# Altium PCB work_pcb_1.PcbDoc (part 1 of 3) (continued)
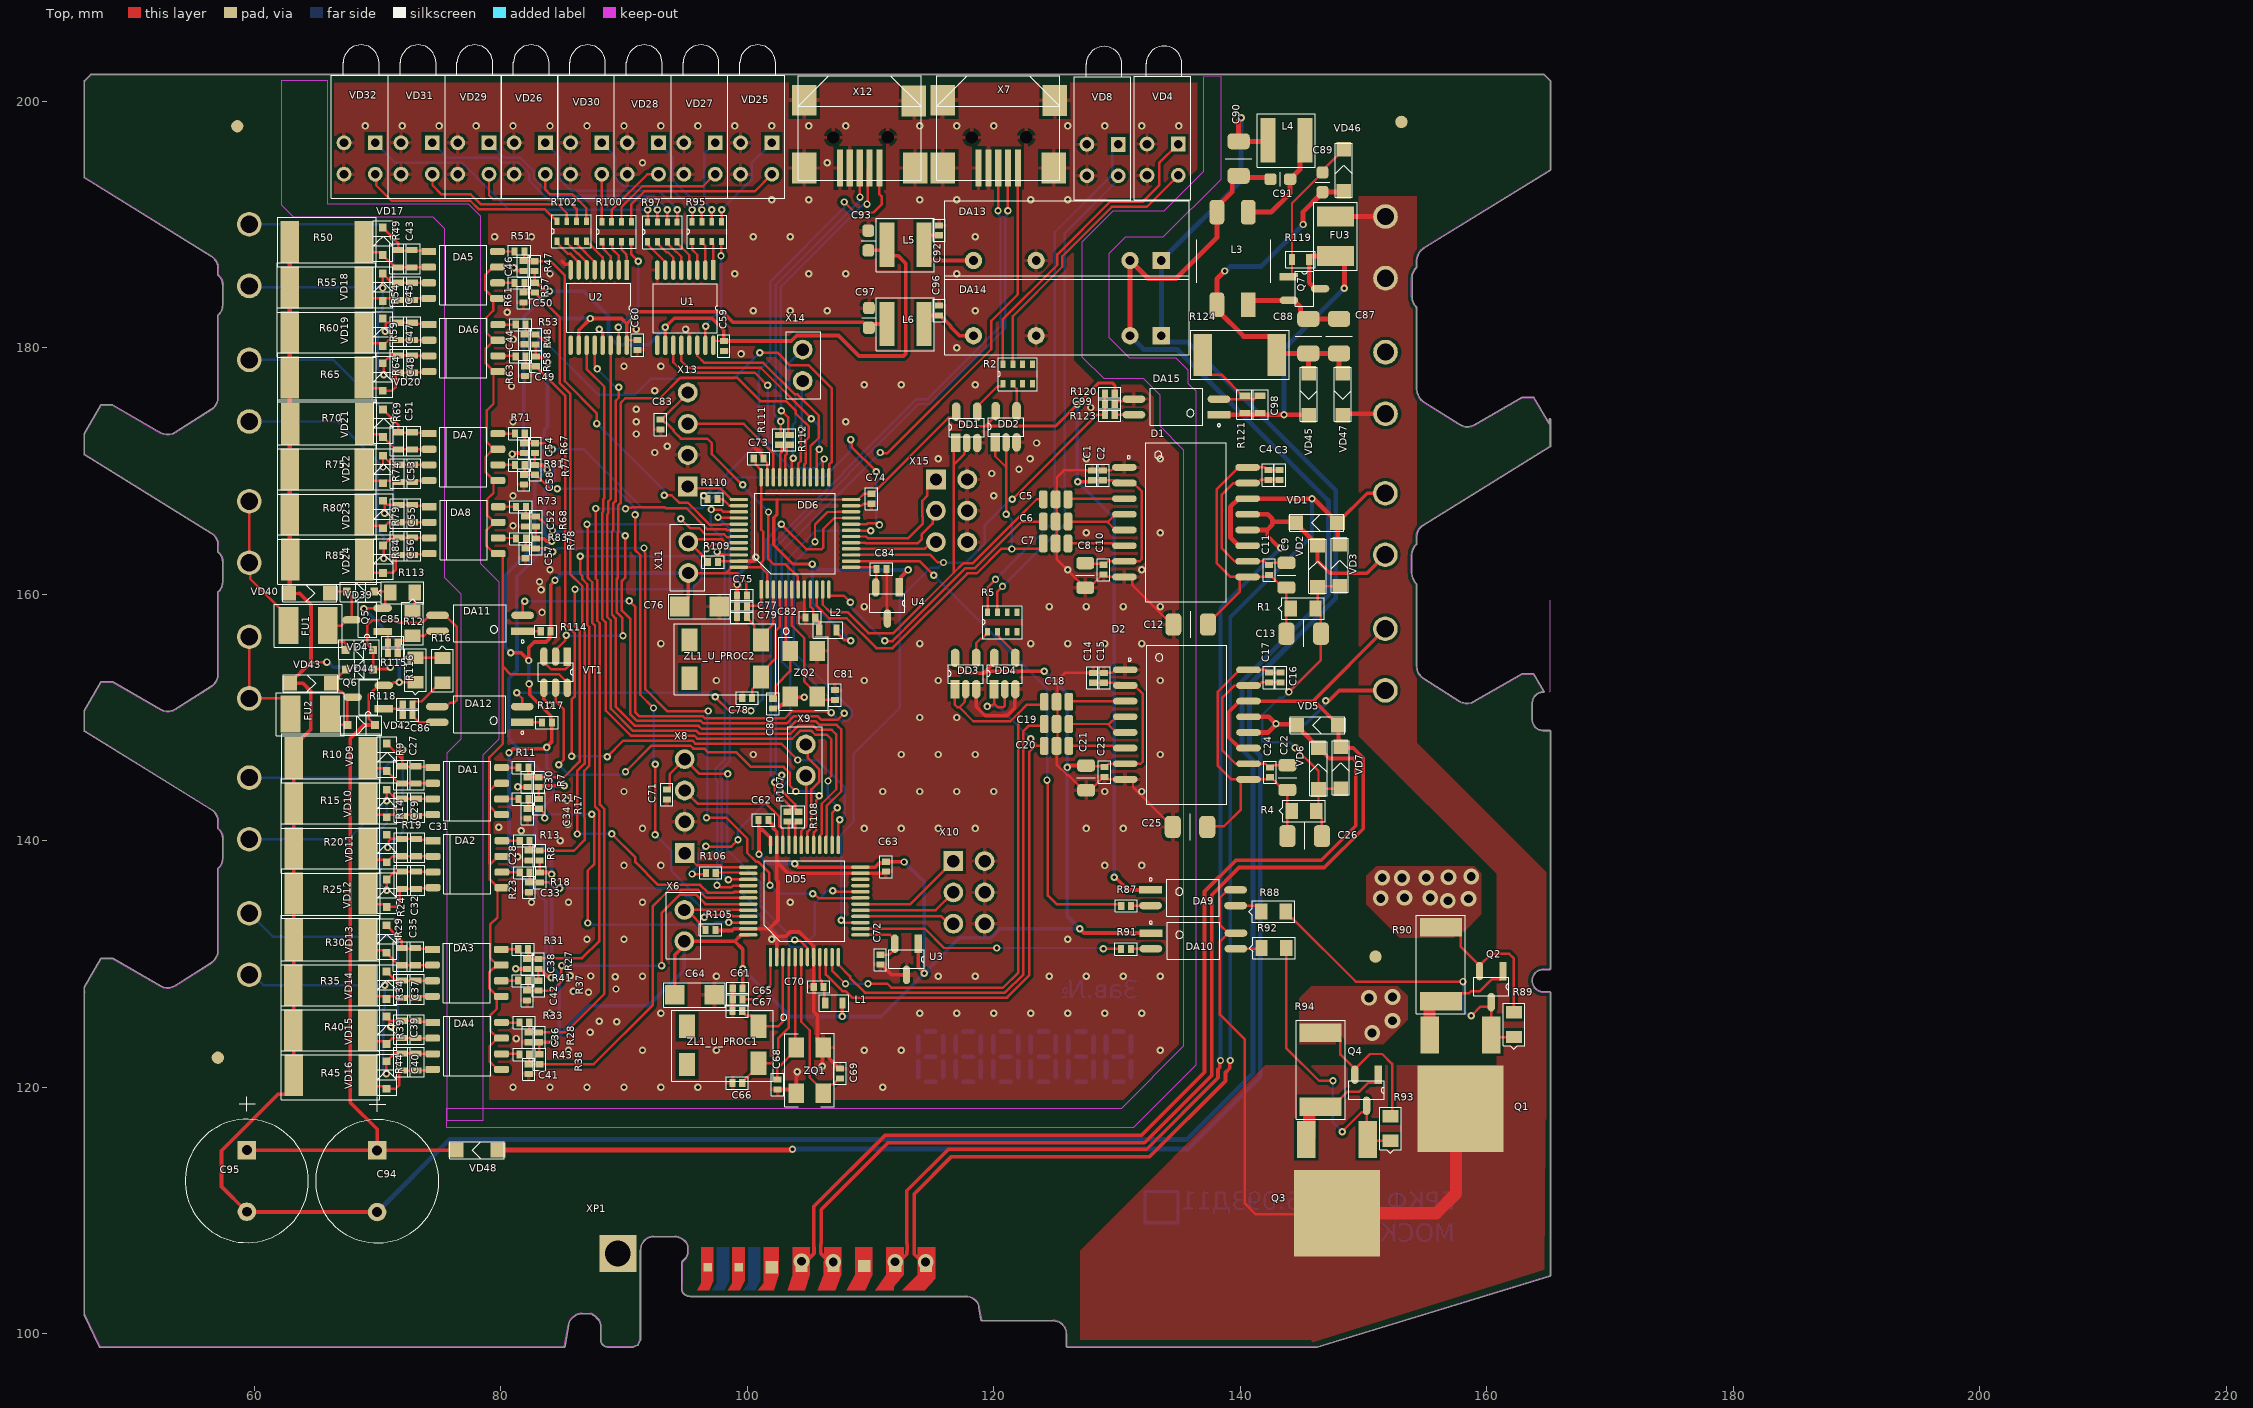
[diagram p0: Top view]
## Components (designator, comment, footprint, x,y, rotation, side; value= is the part's Value field where it differs from the comment)
C1 "0.1u" cap_0402 127.975,169.65 r90 top (schematic designator C38)
C2 "0.01u" cap_0402 128.875,169.65 r270 top (schematic designator C39)
C3 "0.1u" cap_0402 143.2,169.675 r90 top (schematic designator C40)
C4 "0.01u" cap_0402 142.275,169.675 r270 top (schematic designator C41)
C5 "NFM21CC102R1H3" NFM21C 124.024,167.7 r0 top (schematic designator C42)
C6 "NFM21CC102R1H3" NFM21C 124.024,165.9 r0 top (schematic designator C43)
C7 "NFM21CC102R1H3" NFM21C 124.024,164.125 r0 top (schematic designator C44)
C8 "Capacitor ceramic" C0805_ 127.425,161.525 r90 top value=10u (schematic designator C45)
C9 "Capacitor ceramic" C0805_ 143.75,161.55 r90 top value=10u (schematic designator C46)
C10 "0.1u" cap_0402 128.9,162 r90 top (schematic designator C47)
C11 "0.1u" cap_0402 142.35,161.975 r90 top (schematic designator C48)
C12 "Capacitor ceramic" C1206_ 135.975,157.55 r0 top value=220p (schematic designator C49)
C13 "Capacitor ceramic" C1206_ 145.15,156.8 r180 top value=1000p (schematic designator C50)
C14 "0.1u" cap_0402 128.05,153.224 r90 top (schematic designator C38)
C15 "0.01u" cap_0402 128.95,153.224 r270 top (schematic designator C39)
C16 "0.1u" cap_0402 143.275,153.249 r90 top (schematic designator C40)
C17 "0.01u" cap_0402 142.35,153.249 r270 top (schematic designator C41)
C18 "NFM21CC102R1H3" NFM21C 124.099,151.274 r0 top (schematic designator C42)
C19 "NFM21CC102R1H3" NFM21C 124.099,149.474 r0 top (schematic designator C43)
C20 "NFM21CC102R1H3" NFM21C 124.099,147.699 r0 top (schematic designator C44)
C21 "Capacitor ceramic" C0805_ 127.5,145.099 r90 top value=10u (schematic designator C45)
C22 "Capacitor ceramic" C0805_ 143.825,145.124 r90 top value=10u (schematic designator C46)
C23 "0.1u" cap_0402 128.975,145.574 r90 top (schematic designator C47)
C24 "0.1u" cap_0402 142.425,145.549 r90 top (schematic designator C48)
C25 "Capacitor ceramic" C1206_ 135.925,141.125 r0 top value=220p (schematic designator C49)
C26 "Capacitor ceramic" C1206_ 145.225,140.375 r180 top value=1000p (schematic designator C50)
C27 "0.1u" 0603_cap 73.124,145.349 r90 top (schematic designator C1)
C28 "0.1u" cap_0402 82.274,138.804 r90 top (schematic designator C2)
C29 "0.1u" 0603_cap 73.149,142.704 r90 top (schematic designator C3)
C30 "0.1u" cap_0402 82.174,144.754 r90 top (schematic designator C4)
C31 "0.1u" 0603_cap 73.149,139.449 r90 top (schematic designator C5)
C32 "0.1u" 0603_cap 73.149,136.799 r90 top (schematic designator C6)
C33 "0.1u" cap_0402 82.299,136.224 r90 top (schematic designator C7)
C34 "0.1u" cap_0402 82.174,142.199 r90 top (schematic designator C8)
C35 "0.1u" 0603_cap 73.099,130.599 r90 top (schematic designator C1)
C36 "0.1u" cap_0402 82.249,124.054 r90 top (schematic designator C2)
C37 "0.1u" 0603_cap 73.124,127.954 r90 top (schematic designator C3)
C38 "0.1u" cap_0402 82.149,130.004 r90 top (schematic designator C4)
C39 "0.1u" 0603_cap 73.124,124.699 r90 top (schematic designator C5)
C40 "0.1u" 0603_cap 73.124,122.049 r90 top (schematic designator C6)
C41 "0.1u" cap_0402 82.274,121.474 r90 top (schematic designator C7)
C42 "0.1u" cap_0402 82.149,127.449 r90 top (schematic designator C8)
C43 "0.1u" 0603_cap 72.799,187.224 r90 top (schematic designator C1)
C44 "0.1u" cap_0402 81.949,180.679 r90 top (schematic designator C2)
C45 "0.1u" 0603_cap 72.824,184.579 r90 top (schematic designator C3)
C46 "0.1u" cap_0402 81.849,186.629 r90 top (schematic designator C4)
C47 "0.1u" 0603_cap 72.824,181.324 r90 top (schematic designator C5)
C48 "0.1u" 0603_cap 72.824,178.674 r90 top (schematic designator C6)
C49 "0.1u" cap_0402 81.974,178.099 r90 top (schematic designator C7)
C50 "0.1u" cap_0402 81.849,184.074 r90 top (schematic designator C8)
C51 "0.1u" 0603_cap 72.824,172.449 r90 top (schematic designator C1)
C52 "0.1u" cap_0402 81.974,165.904 r90 top (schematic designator C2)
C53 "0.1u" 0603_cap 72.849,169.804 r90 top (schematic designator C3)
C54 "0.1u" cap_0402 81.874,171.854 r90 top (schematic designator C4)
C55 "0.1u" 0603_cap 72.849,166.549 r90 top (schematic designator C5)
C56 "0.1u" 0603_cap 72.849,163.899 r90 top (schematic designator C6)
C57 "0.1u" cap_0402 82,163.324 r90 top (schematic designator C7)
C58 "0.1u" cap_0402 81.874,169.299 r90 top (schematic designator C8)
C59 "0.1u" cap_0402 98.1,180.15 r270 top (schematic designator C36)
C60 "0.1u" cap_0402 91.1,180.225 r270 top (schematic designator C37)
C61 "0.1u" cap_0402 99.225,128.025 r180 top (schematic designator C22)
C62 "0.1u" cap_0402 101.325,141.675 r0 top (schematic designator C23)
C63 "0.1u" cap_0402 111.25,137.9 r270 top (schematic designator C24)
C64 "47u" 1206-cap 95.725,127.5 r180 top (schematic designator C25)
C65 "0.1u" cap_0402 99.225,127.125 r180 top (schematic designator C26)
C66 "10p" cap_0402 99.2,120.35 r180 top (schematic designator C27)
C67 "10p" cap_0402 99.2,126.2 r180 top (schematic designator C28)
C68 "10p" cap_0402 102.45,120.225 r270 top (schematic designator C29)
C69 "10p" cap_0402 107.525,121.125 r270 top (schematic designator C30)
C70 "0.1u" cap_0402 105.8,128.15 r180 top (schematic designator C31)
C71 "0.1u" cap_0402 93.475,143.75 r270 top (schematic designator C32)
C72 "0.1u" cap_0402 110.8,130.35 r90 top (schematic designator C33)
C73 "0.1u" cap_0402 100.925,171.025 r0 top (schematic designator C22)
C74 "0.1u" cap_0402 110.075,167.75 r270 top (schematic designator C23)
C75 "0.1u" cap_0402 99.575,159.9 r180 top (schematic designator C24)
C76 "47u" 1206-cap 96.125,159 r180 top (schematic designator C25)
C77 "0.1u" cap_0402 99.575,159.025 r180 top (schematic designator C26)
C78 "10p" cap_0402 100,151.575 r180 top (schematic designator C27)
C79 "10p" cap_0402 99.575,158.15 r180 top (schematic designator C28)
C80 "10p" cap_0402 102.1,151.125 r270 top (schematic designator C29)
C81 "10p" cap_0402 107.125,151.825 r270 top (schematic designator C30)
C82 "0.1u" cap_0402 105.125,158.125 r180 top (schematic designator C31)
C83 "0.1u" cap_0402 92.975,173.775 r270 top (schematic designator C32)
C84 "0.1u" cap_0402 110.9,162.05 r180 top (schematic designator C33)
C85 "0.01u" cap_0402 71.25,156.099 r180 top (schematic designator C34)
C86 "0.01u" cap_0402 72.45,150.2 r180 top (schematic designator C35)
C87 "Capacitor ceramic" C1206_ 148.025,180.95 r90 top value=10u (schematic designator C9)
C88 "Capacitor ceramic" C1206_ 145.525,180.95 r90 top value=10u (schematic designator C10)
C89 "Capacitor ceramic" C0603 146.675,193.425 r90 top value=0.1u (schematic designator C11)
C90 "Capacitor ceramic" C1206_ 139.875,195.35 r90 top value=10u (schematic designator C12)
C91 "Capacitor ceramic" C0603 143.25,193.675 r0 top value=0.1u (schematic designator C13)
C92 "0.1u" cap_0402 115.575,189.525 r90 top (schematic designator C14)
C93 "Capacitor ceramic" C0603 109.825,188.7 r270 top value=10u (schematic designator C15)
C94 "Capacitor electrolytic" rad_cap_10х12 69.975,112.375 r270 top value=220uF (schematic designator C16)
C95 "Capacitor electrolytic" rad_cap_10х12 59.4,112.4 r270 top value=220uF (schematic designator C17)
C96 "0.1u" cap_0402 115.575,183.025 r90 top (schematic designator C18)
C97 "Capacitor ceramic" C0603 109.875,182.425 r270 top value=10u (schematic designator C19)
C98 "0.1u" 0603_cap 141.6,175.4 r270 top (schematic designator C20)
C99 "0.1u" cap_0402 129.425,175.425 r180 top (schematic designator C21)
D1 "ADM2682E_RS485_422_Isol" SOIC_16IC_ 135.599,165.85 r0 top
D2 "ADM2682E_RS485_422_Isol" SOIC_16IC_ 135.674,149.424 r0 top (schematic designator D1)
DA1 "MOCD217M" SO-8_optocup 77.274,144.029 r0 top
DA2 "MOCD217M" SO-8_optocup 77.299,138.099 r0 top
DA3 "MOCD217M" SO-8_optocup 77.249,129.279 r0 top (schematic designator DA1)
DA4 "MOCD217M" SO-8_optocup 77.274,123.349 r0 top (schematic designator DA2)
DA5 "MOCD217M" SO-8_optocup 76.949,185.904 r0 top (schematic designator DA1)
DA6 "MOCD217M" SO-8_optocup 76.974,179.974 r0 top (schematic designator DA2)
DA7 "MOCD217M" SO-8_optocup 76.974,171.129 r0 top (schematic designator DA1)
DA8 "MOCD217M" SO-8_optocup 76.999,165.199 r0 top (schematic designator DA2)
DA9 "PS2801C-1" SSOP-4N 136.175,135.375 r0 top (schematic designator DA8)
DA10 "PS2801C-1" SSOP-4N 136.199,131.875 r0 top (schematic designator DA8)
DA11 "PS2801C-1" SSOP-4N 78.325,157.649 r180 top (schematic designator DA6)
DA12 "PS2801C-1" SSOP-4N 78.3,150.25 r180 top (schematic designator DA7)
DA13 "AM1D-2403SH30Z" AM1D-2405 133.6,187.075 r270 top (schematic designator DA3)
DA14 "AM1D-2403SH30Z" AM1D-2405 133.6,180.975 r270 top (schematic designator DA4)
DA15 "PS2801C-1" SSOP-4N 134.825,175.2 r180 top (schematic designator DA5)
DD1 "1G00" sot-23-5 116.85,172.275 r90 top (schematic designator DD2)
DD2 "1G00" sot-23-5 120.05,172.325 r90 top (schematic designator DD3)
DD3 "1G00" sot-23-5 116.775,152.299 r90 top (schematic designator DD2)
DD4 "1G00" sot-23-5 119.95,152.299 r90 top (schematic designator DD3)
DD5 "STM32F030C8T6" LQFP48 101.888,130.562 r90 top (schematic designator DD1)
DD6 "STM32F030C8T6" LQFP48 101.126,160.387 r90 top (schematic designator DD1)
FU1 "fuse" fuse1210 64.376,157.45 r180 top (schematic designator FU2)
FU2 "fuse" fuse1210 64.55,150.275 r180 top (schematic designator FU3)
FU3 "1812L014DR" fuse1210 147.725,189.05 r270 top (schematic designator FU1)
L1 "chip_ind" 0603_ind 107.025,126.85 r180 top (schematic designator L5)
L2 "chip_ind" 0603_ind 106.55,157.1 r180 top (schematic designator L5)
L3 "SRF0905" SRF0905 139.375,187.25 r90 top value=SRF0905-202Y (schematic designator L1)
L4 "22 uHn" ifsc1515 143.75,196.825 r180 top (schematic designator L2)
L5 "22 uHn" ifsc1515 112.85,188.35 r180 top (schematic designator L3)
L6 "22 uHn" ifsc1515 112.85,181.925 r180 top (schematic designator L4)
Q1 "MJD31CT4" d-pak 161.375,125.75 r180 top (schematic designator Q4)
Q2 "bc817" sot23 161.315,129.426 r270 top (schematic designator Q5)
Q3 "MJD31CT4" d-pak 151.35,117.276 r180 top (schematic designator Q4)
Q4 "bc817" sot23 151.199,121.025 r270 top (schematic designator Q5)
Q5 "PNP" sot23 70.426,156.975 r180 top (schematic designator Q2)
Q6 "PNP" sot23 70.518,150.706 r180 top (schematic designator Q3)
Q7 "MJD122T4G" sot23 143.95,185.75 r0 top (schematic designator Q1)
R1 "1M" 0805-res 145.1,158.85 r180 top (schematic designator R41)
R2 "220" YC164 120.75,177.075 r90 top (schematic designator R42)
R4 "1M" 0805-res 145.175,142.424 r180 top (schematic designator R41)
R5 "220" YC164 119.499,156.953 r90 top (schematic designator R42)
R7 "10k" res_0402 83.075,144.75 r270 top (schematic designator R1)
R8 "10k" res_0402 83.15,138.8 r270 top (schematic designator R2)
R9 "200" 0603_res 71.999,145.349 r90 top (schematic designator R3)
R10 "1.5k" 2512_res 66.224,146.699 r0 top (schematic designator R4)
R11 "200" res_0402 81.845,145.948 r180 top (schematic designator R5)
R12 "1k" 0805-res 72.845,157.633 r90 top (schematic designator R150)
R13 "200" res_0402 81.945,139.999 r180 top (schematic designator R7)
R14 "200" 0603_res 72.024,142.704 r90 top (schematic designator R8)
R15 "1.5k" 2512_res 66.199,143.024 r0 top (schematic designator R9)
R16 "1k" 0805-res 75.27,153.833 r90 top (schematic designator R151)
R17 "10k" res_0402 83.099,142.999 r90 top (schematic designator R11)
R18 "10k" res_0402 83.174,137.024 r90 top (schematic designator R12)
R19 "200" 0603_res 72.024,139.449 r90 top (schematic designator R13)
R20 "1.5k" 2512_res 66.199,139.375 r0 top (schematic designator R14)
R21 "200" res_0402 81.845,143.399 r180 top (schematic designator R15)
R23 "200" res_0402 81.945,137.411 r180 top (schematic designator R17)
R24 "200" 0603_res 72.024,136.799 r90 top (schematic designator R18)
R25 "1.5k" 2512_res 66.224,135.725 r0 top (schematic designator R19)
R27 "10k" res_0402 83.05,130 r270 top (schematic designator R1)
R28 "10k" res_0402 83.126,124.05 r270 top (schematic designator R2)
R29 "200" 0603_res 71.974,130.599 r90 top (schematic designator R3)
R30 "1.5k" 2512_res 66.199,131.949 r0 top (schematic designator R4)
R31 "200" res_0402 81.82,131.198 r180 top (schematic designator R5)
R33 "200" res_0402 81.92,125.248 r180 top (schematic designator R7)
R34 "200" 0603_res 71.999,127.954 r90 top (schematic designator R8)
R35 "1.5k" 2512_res 66.174,128.274 r0 top (schematic designator R9)
R37 "10k" res_0402 83.074,128.249 r90 top (schematic designator R11)
R38 "10k" res_0402 83.149,122.274 r90 top (schematic designator R12)
R39 "200" 0603_res 71.999,124.699 r90 top (schematic designator R13)
R40 "1.5k" 2512_res 66.174,124.625 r0 top (schematic designator R14)
R41 "200" res_0402 81.82,128.649 r180 top (schematic designator R15)
R43 "200" res_0402 81.92,122.661 r180 top (schematic designator R17)
R44 "200" 0603_res 71.999,122.049 r90 top (schematic designator R18)
R45 "1.5k" 2512_res 66.199,120.975 r0 top (schematic designator R19)
R47 "10k" res_0402 82.75,186.625 r270 top (schematic designator R1)
R48 "10k" res_0402 82.826,180.675 r270 top (schematic designator R2)
R49 "200" 0603_res 71.674,187.224 r90 top (schematic designator R3)
R50 "1.5k" 2512_res 65.899,188.575 r0 top (schematic designator R4)
R51 "200" res_0402 81.52,187.824 r180 top (schematic designator R5)
R53 "200" res_0402 81.62,181.874 r180 top (schematic designator R7)
R54 "200" 0603_res 71.699,184.579 r90 top (schematic designator R8)
R55 "1.5k" 2512_res 65.874,184.9 r0 top (schematic designator R9)
R57 "10k" res_0402 82.774,184.874 r90 top (schematic designator R11)
R58 "10k" res_0402 82.849,178.899 r90 top (schematic designator R12)
R59 "200" 0603_res 71.699,181.324 r90 top (schematic designator R13)
R60 "1.5k" 2512_res 65.874,181.25 r0 top (schematic designator R14)
R61 "200" res_0402 81.52,185.274 r180 top (schematic designator R15)
R63 "200" res_0402 81.62,179.286 r180 top (schematic designator R17)
R64 "200" 0603_res 71.699,178.674 r90 top (schematic designator R18)
R65 "1.5k" 2512_res 65.899,177.6 r0 top (schematic designator R19)
R67 "10k" res_0402 82.776,171.85 r270 top (schematic designator R1)
R68 "10k" res_0402 82.851,165.9 r270 top (schematic designator R2)
R69 "200" 0603_res 71.699,172.449 r90 top (schematic designator R3)
R70 "1.5k" 2512_res 65.925,173.8 r0 top (schematic designator R4)
R71 "200" res_0402 81.545,173.049 r180 top (schematic designator R5)
R73 "200" res_0402 81.645,167.099 r180 top (schematic designator R7)
R74 "200" 0603_res 71.724,169.804 r90 top (schematic designator R8)
R75 "1.5k" 2512_res 65.9,170.125 r0 top (schematic designator R9)
R77 "10k" res_0402 82.799,170.099 r90 top (schematic designator R11)
R78 "10k" res_0402 82.874,164.124 r90 top (schematic designator R12)
R79 "200" 0603_res 71.724,166.549 r90 top (schematic designator R13)
R80 "1.5k" 2512_res 65.9,166.475 r0 top (schematic designator R14)
R81 "200" res_0402 81.545,170.499 r180 top (schematic designator R15)
R83 "200" res_0402 81.645,164.511 r180 top (schematic designator R17)
R84 "200" 0603_res 71.724,163.899 r90 top (schematic designator R18)
R85 "1.5k" 2512_res 65.925,162.825 r0 top (schematic designator R19)
R87 "330" res_0402 130.75,134.725 r0 top (schematic designator R44)
R88 "10k" 0805-res 142.7,134.25 r180 top (schematic designator R45)
R89 "100k" 0805-res 162.2,125.075 r270 top (schematic designator R46)
R90 "4.7" 2512_res 156.275,129.975 r270 top (schematic designator R47)
R91 "330" res_0402 130.724,131.225 r0 top (schematic designator R44)
R92 "10k" 0805-res 142.726,131.3 r180 top (schematic designator R45)
R93 "100k" 0805-res 152.175,116.651 r270 top (schematic designator R46)
R94 "4.7" 2512_res 146.525,121.426 r270 top (schematic designator R47)
R95 "220" YC164 95.524,188.625 r90 top (schematic designator R37)
R97 "220" YC164 91.914,188.6 r90 top (schematic designator R38)
R100 "220" YC164 88.2,188.611 r90 top (schematic designator R39)
R102 "220" YC164 84.556,188.65 r90 top (schematic designator R40)
R105 "100k" res_0402 97.025,132.775 r180 top (schematic designator R27)
R106 "100k" res_0402 97.05,137.4 r180 top (schematic designator R28)
R107 "22" res_0402 103.25,141.95 r90 top (schematic designator R29)
R108 "22" res_0402 104.15,141.95 r90 top (schematic designator R30)
R109 "100k" res_0402 97.225,162.625 r180 top (schematic designator R27)
R110 "100k" res_0402 97.175,167.725 r180 top (schematic designator R28)
R111 "22" res_0402 102.575,172.525 r90 top (schematic designator R29)
R112 "22" res_0402 103.45,172.525 r90 top (schematic designator R30)
R113 "1k" 0805-res 72.025,160.124 r180 top (schematic designator R31)
R114 "330" res_0402 83.65,156.999 r180 top (schematic designator R32)
R115 "2k" res_0402 71.25,155.224 r180 top (schematic designator R33)
R116 "1k" 0805-res 73.079,153.856 r270 top (schematic designator R34)
R117 "330" res_0402 83.75,149.6 r180 top (schematic designator R35)
R118 "2k" res_0402 72.45,151.075 r180 top (schematic designator R36)
R119 "10k" 0603_res 144.9,187.15 r180 top (schematic designator R21)
R120 "10k" res_0402 129.425,176.3 r0 top (schematic designator R22)
R121 "200" 0603_res 140.4,175.4 r270 top (schematic designator R23)
R123 "200" res_0402 129.425,174.55 r0 top (schematic designator R25)
R124 "1.5k" 2512_res 139.975,179.425 r180 top (schematic designator R26)
U1 "74HC595" TSSOP16 97.25,186.301 r270 top (schematic designator U2)
U2 "74HC595" TSSOP16 90.225,186.314 r270 top (schematic designator U3)
U3 "lm60" sot23 113.875,131.65 r270 top (schematic designator U1)
U4 "lm60" sot23 112.325,160.55 r270 top (schematic designator U1)
VD1 "PTVS33VS1UTR" SOD-123 146.2,165.8 r180 top (schematic designator VD23)
VD2 "PTVS33VS1UTR" SOD-123 146.275,162.275 r90 top (schematic designator VD24)
VD3 "PTVS33VS1UTR" SOD-123 148.075,162.35 r90 top (schematic designator VD25)
VD4 "Diod_sv_L-7104F0" L-7104_ 134.975,196.526 r270 top (schematic designator VD26)
VD5 "PTVS33VS1UTR" SOD-123 146.275,149.374 r180 top (schematic designator VD23)
VD6 "PTVS33VS1UTR" SOD-123 146.35,145.849 r90 top (schematic designator VD24)
VD7 "PTVS33VS1UTR" SOD-123 148.15,145.924 r90 top (schematic designator VD25)
VD8 "Diod_sv_L-7104F0" L-7104_ 130.1,196.5 r270 top (schematic designator VD26)
VD9 "1N4448" sod-323 70.749,146.774 r90 top (schematic designator VD1)
VD10 "1N4448" sod-323 70.749,143.025 r90 top (schematic designator VD2)
VD11 "1N4448" sod-323 70.749,139.374 r90 top (schematic designator VD3)
VD12 "1N4448" sod-323 70.749,135.749 r90 top (schematic designator VD4)
VD13 "1N4448" sod-323 70.724,132.024 r90 top (schematic designator VD1)
VD14 "1N4448" sod-323 70.724,128.275 r90 top (schematic designator VD2)
VD15 "1N4448" sod-323 70.724,124.624 r90 top (schematic designator VD3)
VD16 "1N4448" sod-323 70.724,120.999 r90 top (schematic designator VD4)
VD17 "1N4448" sod-323 70.424,188.649 r90 top (schematic designator VD1)
VD18 "1N4448" sod-323 70.424,184.9 r90 top (schematic designator VD2)
VD19 "1N4448" sod-323 70.424,181.249 r90 top (schematic designator VD3)
VD20 "1N4448" sod-323 70.424,177.624 r90 top (schematic designator VD4)
VD21 "1N4448" sod-323 70.449,173.874 r90 top (schematic designator VD1)
VD22 "1N4448" sod-323 70.449,170.125 r90 top (schematic designator VD2)
VD23 "1N4448" sod-323 70.449,166.474 r90 top (schematic designator VD3)
VD24 "1N4448" sod-323 70.449,162.849 r90 top (schematic designator VD4)
VD25 "Diod_sv_L-7104F0" L-7104_ 102.001,196.626 r270 top (schematic designator VD15)
VD26 "Diod_sv_L-7104F0" L-7104_ 83.625,196.626 r270 top (schematic designator VD19)
VD27 "Diod_sv_L-7104F0" L-7104_ 97.4,196.626 r270 top (schematic designator VD16)
VD28 "Diod_sv_L-7104F0" L-7104_ 92.8,196.626 r270 top (schematic designator VD17)
VD29 "Diod_sv_L-7104F0" L-7104_ 79.05,196.626 r270 top (schematic designator VD20)
VD30 "Diod_sv_L-7104F0" L-7104_ 88.2,196.626 r270 top (schematic designator VD18)
VD31 "Diod_sv_L-7104F0" L-7104_ 74.45,196.626 r270 top (schematic designator VD21)
VD32 "Diod_sv_L-7104F0" L-7104_ 69.825,196.626 r270 top (schematic designator VD22)
VD39 "1N4448" sod-323 68.625,160.226 r0 top (schematic designator VD9)
VD40 "PTVS33VS1UTR" SOD-123 64.5,160.076 r0 top (schematic designator VD10)
VD41 "1N4448" sod-323 68.525,155.475 r180 top (schematic designator VD11)
VD42 "1N4448" sod-323 68.675,149.4 r0 top (schematic designator VD12)
VD43 "PTVS33VS1UTR" SOD-123 64.575,152.775 r0 top (schematic designator VD13)
VD44 "1N4448" sod-323 68.55,153.9 r180 top (schematic designator VD14)
VD45 "PTVS33VS1UTR" SOD-123 145.551,176.225 r270 top (schematic designator VD5)
VD46 "MMSZ5252BT1G" SOD-123 148.4,194.4 r90 top (schematic designator VD6)
VD47 "1N4448W" SOD-123 148.325,176.225 r270 top (schematic designator VD7)
VD48 "1N4448W" SOD-123 78.075,114.9 r180 top (schematic designator VD8)
VT1 "6N7002" sot-23-6 85.4,154.95 r270 top
X1 "pxc_2203902/3" pxc_2203902#1 165.788,171.648 r180 bottom locked (schematic designator X6)
X2 "pxc_2203902/3" pxc_2203902#2 165.776,149.2 r180 bottom locked (schematic designator X7)
X3 "pxc_2203902/3" pxc_2203903 45.6,173.55 r0 bottom locked (schematic designator X8)
X4 "pxc_2203902/3" pxc_2203903 45.6,151.125 r0 bottom locked (schematic designator X9)
X5 "pxc_2203902/3" pxc_2203903 45.6,196.016 r0 bottom locked (schematic designator X10)
X6 "pls2x2.54" pls2x2.54 94.9,131.85 r90 top (schematic designator X1)
X7 "miniUSB" miniUSB#1 120.362,194.588 r270 top (schematic designator X2)
X8 "PLS-4R" pls-4r 94.925,139 r180 top (schematic designator X3)
X9 "pls2x2.54" pls2x2.54 104.75,145.275 r90 top (schematic designator X4)
X10 "PLD-6" PLD6 116.725,138.35 r0 top (schematic designator X5)
X11 "pls2x2.54" pls2x2.54 95.225,161.725 r90 top (schematic designator X1)
X12 "miniUSB" miniUSB#2 109.124,194.588 r270 top (schematic designator X2)
X13 "PLS-4R" pls-4r 95.175,168.75 r180 top (schematic designator X3)
X14 "pls2x2.54" pls2x2.54 104.5,179.85 r270 top (schematic designator X4)
X15 "PLD-6" PLD6 115.31,169.315 r0 top (schematic designator X5)
XP1 "TBUS8-25,0-PPPPPPSS-7035 - 2202895" "TBUS8-25,0-PPPPPPSS-7035 - 2202895" 89.5,106.5 r270 top locked
ZL1_U_PROC1 "KVARTZ_32" zm206 100.617,125.245 r270 top (schematic designator ZL1)
ZL1_U_PROC2 "KVARTZ_32" zm206 100.812,156.588 r270 top (schematic designator ZL1)
ZQ1 "ESX-53-DU" ECX-53B-DU 105.075,121.375 r270 top
ZQ2 "ESX-53-DU" ECX-53B-DU 104.575,153.55 r270 top (schematic designator ZQ1)

## Footprints (in the part's own frame and the unit in brackets; to place one, negate y for a bottom-side part, rotate by r counter-clockwise, add the part's x,y. Pads: shape width x height; smd on the part's side, far side on the other; paste and mask are expansions set on the pad)
0603_cap [mm]
  rect 0.5x0.9 smd: 1(-0.7,0) 2(0.7,0)
  silkscreen extent -1.2,-0.67 1.2,0.67, body extent -0.8,-0.4 0.8,0.4, height 0.3
0603_ind [mm]
  rect 0.5x0.9 smd: 1(-0.7,0) 2(0.7,0)
  silkscreen extent -1.2,-0.68 1.2,0.67, body extent -0.8,-0.4 0.8,0.4, height 0.8
0603_res [mm]
  rect 0.5x0.9 smd: 1(-0.7,0) 2(0.7,0)
  silkscreen extent -1.2,-0.67 1.2,0.68, body extent -0.85,-0.4 0.85,0.4, height 0.56
0805-res [mm]
  rect 1x1.3 smd: 1(-1,0) 2(1,0)
  silkscreen extent -1.73,-0.87 2,0.88, body extent -1.15,-0.67 1.15,0.68, height 0.76
1206-cap [mm]
  rect 1.6x1.6 smd: 1(-1.6,0) 2(1.6,0)
  silkscreen extent -2.5,-1 2.5,1, body extent -1.6,-0.8 1.6,0.8, height 1
2512_res [mm]
  rect 1.5x3.4 smd: 1(-3,0) 2(3,0)
  silkscreen extent -4,-2 4,2, body extent -3.17,-1.63 3.18,1.63, height 0.58
AM1D-2405 [mm]
  rect 1.4x1.4 hole 0.7: 1(0,0)
  round 1.4 hole 0.7: 2(0,-2.54) 5(0,-10.16) 7(0,-15.24)
  silkscreen extent -4.87,-17.57 1.53,2.27, body extent -4.67,-17.42 1.34,2.08, height 10
C0603 [mm] "Chip Capacitor, 2-Leads, Body 1,60x0,80mm, IPC Medium Density"
  rrect50% 1x0.95 smd: 1(-0.8,0) 2(0.8,0)
  silkscreen extent 0,-0.58 0,0.58, body extent -0.88,-0.48 0.87,0.48, height 0.87
C0805_ [mm]
  rrect50% 1x1.45 smd: 1(-1,0) 2(1,0)
  silkscreen extent 0,-0.75 0,0.75, body extent -1,-0.62 1,0.63, height 0.78
C1206_ [mm]
  rrect50% 1.3x1.8 smd: 1(-1.4,0) 2(1.4,0)
  silkscreen extent 0,-1.07 0,1.08, body extent -1.6,-0.8 1.6,0.8, height 1
cap_0402 [mm]
  rect 0.5x0.65 smd: 1(-0.4,0) 2(0.4,0)
  silkscreen extent -0.9,-0.5 0.9,0.5, body extent -0.5,-0.3 0.5,0.3, height 0.2
d-pak [mm]
  rect 1.5x3 smd: 1(1,1.5) 3(6,1.5)
  rect 7x7 smd: 2(3.5,7.5)
  body extent 0.25,0.75 6.75,10.25, height 2.3
ECX-53B-DU [mm] "SMX crystals"
  rect 1.6x1.25 smd: 1(-1.85,-1.1) 2(1.85,-1.1) 3(1.85,1.1) 4(-1.85,1.1)
  silkscreen extent -3,-2.03 2.97,2, body extent -2.5,-1.6 2.5,1.6, height 0.85
fuse1210 [mm]
  rect 1.6x3 smd: 1(-1.6,0) 2(1.6,0)
  silkscreen extent -2.75,-1.75 2.75,1.75, body extent -1.6,-1.29 1.61,1.29, height 0.67
ifsc1515 [mm]
  rect 1.2x3.6 smd: 1(-1.5,0) 2(1.5,0)
  silkscreen extent -2.33,-2.15 2.38,2.17, body extent -1.95,-1.92 2,2.03, height 1.8
L-7104_ [mm]
  rect 1.2x1.2 hole 0.7: 1(0,0)
  round 1.2 hole 0.7: 2(0,-2.54) 3(2.54,0) 4(2.54,-2.54)
  silkscreen extent -7.95,-3.57 4.5,1.03, body extent -7.23,-3.45 3.7,0.85, height 9.65
LQFP48 [mm]
  rect 1.5x0.28 smd: 1(0,0)
  oval 1.5x0.28 smd: 2(0,-0.5) 3(0,-1) 4(0,-1.5) 5(0,-2) 6(0,-2.5) 7(0,-3) 8(0,-3.5) 9(0,-4) 10(0,-4.5) 11(0,-5) 12(0,-5.5) 25(9.1,-5.5) 26(9.1,-5) 27(9.1,-4.5) 28(9.1,-4) 29(9.1,-3.5) 30(9.1,-3) 31(9.1,-2.5) 32(9.1,-2) 33(9.1,-1.5) 34(9.1,-1) 35(9.1,-0.5) 36(9.1,0)
  oval 0.28x1.5 smd: 13(1.8,-7.3) 14(2.3,-7.3) 15(2.8,-7.3) 16(3.3,-7.3) 17(3.8,-7.3) 18(4.3,-7.3) 19(4.8,-7.3) 20(5.3,-7.3) 21(5.8,-7.3) 22(6.3,-7.3) 23(6.8,-7.3) 24(7.3,-7.3) 37(7.3,1.8) 38(6.8,1.8) 39(6.3,1.8) 40(5.8,1.8) 41(5.3,1.8) 42(4.8,1.8) 43(4.3,1.8) 44(3.8,1.8) 45(3.3,1.8) 46(2.8,1.8) 47(2.3,1.8) 48(1.8,1.8)
  silkscreen extent 1.28,-6.02 7.81,0.51, body extent 0.08,-7.25 9.08,1.75, height 1.6
miniUSB#1 [mm]
  rect 3x0.5 smd: 1(0,1.6) 2(0,0.8) 3(0,0) 4(0,-0.8) 5(0,-1.6)
  rect 2.5x2 smd: 6(-5.5,-4.5) 6(-5.475,4.6) 6(0,4.5) 6(0,-4.5)
  round 0.8 hole 1: 6(-2.5,2.275) 6(-2.475,-2.15)
  round 1 on Drill Guide: 10(-2.5,2.2) 11(-2.5,-2)
  silkscreen extent -7.5,-5 1,5, body extent -8.37,-4.88 0.87,5.03, height 3.98
miniUSB#2 [mm]
  rect 3x0.5 smd: 1(0,1.6) 2(0,0.8) 3(0,0) 4(0,-0.8) 5(0,-1.6)
  rect 2.5x2 smd: 6(-5.5,-4.5) 6(-5.425,4.4) 6(0,4.5) 6(0,-4.5)
  round 0.8 hole 1: 6(-2.5,2.275) 6(-2.475,-2.15)
  round 1 on Drill Guide: 10(-2.5,2.2) 11(-2.5,-2)
  silkscreen extent -7.5,-5 1,5, body extent -8.37,-4.88 0.87,5.03, height 3.98
NFM21C [mm]
  rrect50% 0.7x1.45 smd: 1(0,0) 2(2,0)
  rrect50% 0.8x1.45 smd: 3(1,0)
  body extent 0.02,-0.62 2.02,0.63, height 0.85
PLD6 [mm]
  rect 1.6x1.6 hole 1: 1(0,0)
  round 1.6 hole 1: 2(0,-2.54) 3(0,-5.08) 4(2.54,-5.08) 5(2.54,-2.54) 6(2.54,0)
  body extent -1.15,-6.29 3.85,1.33, height 8.5
pls2x2.54 [mm]
  round 1.6 hole 1: 1(0,0) 2(2.54,0)
  silkscreen extent -1.44,-1.33 3.97,1.45, body extent -1.28,-1.21 3.8,1.33, height 8.54
pls-4r [mm]
  rect 1.6x1.6 hole 1: 1(0,0)
  round 1.6 hole 1: 2(0,-2.54) 3(0,-5.08) 4(0,-7.62)
pxc_2203902#1 [mm]
  round 2 hole 1.4: 1(14,19) 2(14,14) 3(14,8) 4(14,3)
  Keep-Out Layer lines w0.1: 0.65,0.5 0.65,2 2,4.3 2.9,4.3 6.771,2.064 7.009,1.958 7.265,1.907 7.526,1.913 7.78,1.974 8.014,2.089 10.943,3.947 11.132,4.095 11.288,4.279 11.404,4.49 11.476,4.72 11.5,4.96 11.5,11.606 11.669,11.792 11.795,12.01 11.874,12.25 11.9,12.5 11.9,14 11.874,14.25 11.795,14.49 11.669,14.708 11.5,14.894 11.5,15.431 11.475,15.673 11.402,15.906 11.283,16.119 11.124,16.303 10.931,16.452 0.65,22.8 0.65,24.202
  body extent -4.13,1.5 16.22,23.9, height 3.75
pxc_2203902#2 [mm]
  round 2 hole 1.4: 1(14,19) 2(14,14) 3(14,8) 4(14,3)
  Keep-Out Layer lines w0.1: 1.177,2.899 2,4.3 2.9,4.3 6.771,2.064 7.009,1.958 7.265,1.907 7.526,1.913 7.78,1.974 8.014,2.089 10.943,3.947 11.132,4.095 11.288,4.279 11.404,4.49 11.476,4.72 11.5,4.96 11.5,11.606 11.669,11.792 11.795,12.01 11.874,12.25 11.9,12.5 11.9,14 11.874,14.25 11.795,14.49 11.669,14.708 11.5,14.894 11.5,15.431 11.475,15.673 11.402,15.906 11.283,16.119 11.124,16.303 10.93,16.452 0.65,22.8 0.65,25
  body extent -4.13,1.5 16.22,23.9, height 3.75
pxc_2203903 [mm]
  round 2 hole 1.4: 1(14,6) 2(14,11) 3(14,17) 4(14,22)
  Keep-Out Layer lines w0.1: 0.65,24.5 0.65,23 2,20.7 2.9,20.7 6.771,22.936 7.009,23.042 7.265,23.093 7.526,23.087 7.78,23.026 8.014,22.911 10.943,21.053 11.132,20.905 11.288,20.721 11.404,20.51 11.476,20.28 11.5,20.04 11.5,13.394 11.669,13.208 11.795,12.99 11.874,12.75 11.9,12.5 11.9,11 11.874,10.75 11.795,10.51 11.669,10.292 11.5,10.106 11.5,9.569 11.475,9.327 11.402,9.094 11.283,8.881 11.124,8.697 10.93,8.548 0.65,2.2 0.65,0.575
  body extent -4.18,0.99 16.17,23.39, height 20.75
rad_cap_10х12 [mm]
  rect 1.5x1.5 hole 0.8: 1(-2.5,0)
  round 1.5 hole 0.8: 2(2.5,0)
  silkscreen extent -6.85,-5 5,5, body extent -5,-5 5,5, height 12.3
res_0402 [mm]
  rect 0.5x0.65 smd: 1(-0.4,0) 2(0.4,0)
  silkscreen extent -0.9,-0.5 0.9,0.5, body extent -0.52,-0.3 0.52,0.3, height 0.34
SO-8_optocup [mm]
  rect 1.2x0.58 smd: 1(-2.794,1.905)
  rrect50% 1.2x0.58 smd: 2(-2.794,0.635) 3(-2.794,-0.635) 4(-2.794,-1.905) 5(2.794,-1.905) 6(2.794,-0.635) 7(2.794,0.635) 8(2.794,1.905)
  silkscreen extent -1.9,-2.41 1.91,2.41, body extent -2.99,-2.9 3.01,2.94, height 3.48
SOD-123 [mm]
  rect 1.2x1.2 smd: A(-1.7,0) K(1.7,0)
  silkscreen extent -2.2,-0.7 2.2,0.7, body extent -1.85,-0.8 1.85,0.8, height 1.3
sod-323 [mm]
  rect 0.63x0.63 smd: A(-1.115,0) K(1.115,0)
  silkscreen extent -1.64,-0.83 1.67,0.75, body extent -1.35,-0.73 1.35,0.62, height 0.79
SOIC_16IC_ [mm] "D?"
  oval 2x0.55 smd: 1(-5,4.445) 2(-5,3.175) 3(-5,1.905) 4(-5,0.635) 5(-5,-0.635) 6(-5,-1.905) 7(-5,-3.175) 8(-5,-4.445) 9(5,-4.445) 10(5,-3.175) 11(5,-1.905) 12(5,-0.635) 13(5,0.635) 14(5,1.905) 15(5,3.175) 16(5,4.445)
  silkscreen extent -4.77,-6.45 3.25,6.45, body extent -5.29,-6.45 5.34,6.45, height 2.72
sot23 [mm]
  rect 1.5x0.6 smd: 1(0,0)
  oval 1.5x0.6 smd: 2(2.525,-0.95) 3(0,-1.9)
  silkscreen extent 0.5,-2.38 2,0.48, body extent 0.02,-2.45 2.52,0.55, height 1.1
sot-23-5 [mm]
  rect 1.5x0.75 smd: 1(0,-0.075)
  oval 1.5x0.6 smd: 2(0,-0.95)
  oval 1.5x0.7 smd: 3(0,-1.8) 4(2.54,-1.8) 5(2.54,-0.1)
  silkscreen extent 0.5,-2.38 2,0.48, body extent 0.05,-2.45 2.55,0.55, height 1.1
sot-23-6 [mm]
  rect 1.5x0.6 smd: 1(0,0)
  oval 1.5x0.6 smd: 2(0,-0.95) 3(0,-1.9) 4(2.54,-1.9) 5(2.525,-0.95) 6(2.55,0)
  silkscreen extent 0.5,-2.37 2,0.48, body extent -0.07,-2.4 2.73,0.5, height 1.45
SRF0905 [mm] "Inductor, 4-Leads"
  rect 2x1.2 smd: 1(-3.75,-1.27)
  rrect50% 2x1.2 smd: 2(3.75,-1.27) 3(3.75,1.27) 4(-3.75,1.27)
  silkscreen extent -1.97,-3.1 1.52,2.9, body extent -4.6,-3 4.6,3, height 5
SSOP-4N [mm] "SOP, 4-Leads, Body 2,70x4,40mm, Pitch 1,27mm, IPC Medium Density"
  rect 1.85x0.6 smd: 1(-3.45,0.635)
  oval 1.85x0.6 smd: 2(-3.45,-0.635) 3(3.45,-0.635) 4(3.45,0.635)
  silkscreen extent -3.57,-1.5 2.12,1.61, body extent -2.2,-1.5 2.2,1.5, height 2.1
"TBUS8-25,0-PPPPPPSS-7035 - 2202895" [mm]
  rect 1x1 smd: 1(1,25) 2(1,22.5) 3(1,20) 4(1,17.5) 5(1,14.9) 6(1.1,12.5)
  rect 1x1 smd far side: 1c(1,25.1) 2c(1,22.5) 3c(1,20) 4c(1,17.4) 5c(1,14.9)
  rect 0.7x0.7 smd: 7(1.1,9.8) 8(1.1,7.3)
  rect 0.7x0.7 smd far side: 7f(1.1,11.07) 8f(1.1,8.6)
  rect 3x3 hole 2.1 unplated: 9(0,0)
  Top region: 2.95,23.09 2.95,24.91 2.055,25.74 -0.5,25.75 -0.5,24.35 1.705,24.34
  Top region: 2.95,20.89 2.95,22.39 2.67,22.39 1.705,23.2 -0.5,23.2 -0.5,21.8 1.705,21.8
  Top region: 2.95,18.59 2.95,20.09 1.705,20.66 -0.5,20.65 -0.5,19.25 1.705,19.26
  Top region: 2.95,16.22 2.95,17.64 1.705,18.12 -0.5,18.125 -0.5,16.75 1.705,16.72
  Top region: 2.95,13.8 2.95,15.17 1.705,15.58 -0.5,15.575 -0.5,14.175 1.705,14.18
  Top region: 2.95,11.36 2.95,12.65 1.705,13.04 -0.5,13.05 -0.5,11.85 2.4,11.84
  Top region: 2.95,6.43 2.95,7.4 2.205,7.76 -0.5,7.76 -0.5,6.76 2.4,6.76
  Top region: 2.95,8.9 2.95,9.9 2.205,10.3 -0.5,10.3 -0.5,9.3 2.4,9.3
  Top lines w0.005: 2.97,5.25 cw(c2.95,5.75) 2.95,5.25
  Bottom region: 2.95,23.09 2.95,24.91 2.055,25.74 -0.5,25.75 -0.5,24.35 1.705,24.34
  Bottom region: 2.95,20.89 2.95,22.39 2.67,22.39 1.705,23.2 -0.5,23.2 -0.5,21.8 1.705,21.8
  Bottom region: 2.95,18.59 2.95,20.09 1.705,20.66 -0.5,20.65 -0.5,19.25 1.705,19.26
  Bottom region: 2.95,16.22 2.95,17.64 1.705,18.12 -0.5,18.125 -0.5,16.75 1.705,16.72
  Bottom region: 2.95,13.8 2.95,15.17 1.705,15.58 -0.5,15.575 -0.5,14.175 1.705,14.18
  Bottom region: 2.95,10.17 2.95,11.17 2.205,11.57 -0.5,11.57 -0.5,10.57 2.4,10.57
  Bottom region: 2.95,7.63 2.95,8.63 2.205,9.03 -0.5,9.03 -0.5,8.03 2.4,8.03
  body extent -2.65,-2.55 13.65,34.6, height 20
TSSOP16 [mm]
  rect 1.6x0.35 smd: 1(0,0)
  oval 1.6x0.35 smd: 2(0,-0.65) 3(0,-1.3) 4(0,-1.95) 5(0,-2.6) 6(0,-3.25) 7(0,-3.9) 8(0,-4.55) 9(6.1,-4.55) 10(6.1,-3.9) 11(6.1,-3.25) 12(6.1,-2.6) 13(6.1,-1.95) 14(6.1,-1.3) 15(6.1,-0.65) 16(6.1,0)
  silkscreen extent 1.1,-4.87 5.07,0.33, body extent -0.12,-4.75 6.28,0.25, height 1.1
YC164 [mm]
  rect 0.6x0.4 smd: 1(0,0) 2(0,-0.8) 3(0,-1.6) 4(0,-2.4) 5(1.6,-2.4) 6(1.6,-1.6) 7(1.6,-0.8) 8(1.6,0)
  silkscreen extent -0.55,-2.8 2.12,0.4, body extent 0,-2.82 1.6,0.38, height 0.5
zm206 [mm]
  rect 1.9x1.3 smd: 1(0.3,0.3) 2(3.3,0.3) 3(0.3,-5.5) 3(3.4,-5.5)
  silkscreen extent -1,-6.75 4.75,2.59, body extent -0.05,-6.6 3.75,1.4, height 2.53

## Part data
C1 C2 C3 C4 C10 C11 C14 C15 C16 C17 C23 C24 C27 C28 C29 C30 C31 C32 C33 C34 C35 C36 C37 C38 C39 C40 C41 C42 C43 C44 C45 C46 C47 C48 C49 C50 C51 C52 C53 C54 C55 C56 C57 C58 C59 C60 C61 C62 C63 C64 C65 C66 C67 C68 C69 C70 C71 C72 C73 C74 C75 C76 C77 C78 C79 C80 C81 C82 C83 C84 C85 C86 C92 C96 C98 C99: library part cap
C5 C6 C7 C18 C19 C20: library part NFM21C
C8 C9 C21 C22: Capacitance=#NAME?, Voltage=16В
C12 C13 C25 C26: Capacitance=#NAME?, Voltage=2000В
C87 C88 C90: Capacitance=#NAME?, Voltage="100 В"
C89: Capacitance=#NAME?, Voltage="50 В"
C91: Capacitance=#NAME?, Voltage=50v
C93 C97: Capacitance=#NAME?, Voltage="25 В"
C94 C95: Capacitance=#NAME?, Dielectric=63v, Operating Temperature="-40°C ~ 105°C", Package / Case="Radial, Can - SMD", Tolerance=±20%, Voltage="63 В", Category=Capacitors, ComponentLink1Description=Параметры, ComponentLink1URL=5\res\Справочники\Конденсаторы\KEM_A4003_EXV.pdf, Famile=Capacitor, Polarization=Polar
DA1 DA2 DA3 DA4 DA5 DA6 DA7 DA8: "dual optopair"
DA13 DA14: library part AM1D-2405SH30Z, "AM1D-2403SH30Z 21.6-26.4V 3.3V 200mA 3000V 54мА 6мА 220мкF 77%"
DD1 DD2 DD3 DD4: "2NAND"
DD5 DD6: library part STM32L073CBT6
FU3: library part fuse
L1 L2: library part ind
L4 L5 L6: library part ind_b82477g4
Q1 Q3: library part npn, "bc817"
Q2 Q4 Q7: library part npn
R1 R4 R7 R8 R9 R10 R11 R12 R13 R14 R15 R16 R17 R18 R19 R20 R21 R23 R24 R25 R27 R28 R29 R30 R31 R33 R34 R35 R37 R38 R39 R40 R41 R43 R44 R45 R47 R48 R49 R50 R51 R53 R54 R55 R57 R58 R59 R60 R61 R63 R64 R65 R67 R68 R69 R70 R71 R73 R74 R75 R77 R78 R79 R80 R81 R83 R84 R85 R87 R88 R89 R90 R91 R92 R93 R94 R105 R106 R107 R108 R109 R110 R111 R112 R113 R114 R115 R116 R117 R118 R119 R120 R121 R123 R124: library part res
R2 R5 R95 R97 R100 R102: library part res_array, "YC164"
U1 U2: library part 74hc595
VD1 VD2 VD3 VD5 VD6 VD7 VD40 VD43 VD45: "PTVS33VS1UTR,115, TVS DIODE 33VWM 53.3VC SOD123W"
  VD1 VD2 VD3 VD5 VD6 VD7 VD40 VD43: Type=P6SMB
  VD45: Type=PTVS33VS1UTR
VD46: library part stab, "MMSZ5252BT1G, Стабилитрон 0.5Вт 24В"
VD47 VD48: library part 1N4448
VT1: library part 6n7002
ZQ1 ZQ2: library part REZONATOR, "Crystal", Type=24MHz
D1 D2: Type=ADM2682E
DA9 DA10 DA11 DA12 DA15: Type=PS2801C-1
VD4 VD8 VD25 VD26 VD27 VD28 VD29 VD30 VD31 VD32: Type=L-7104F0
XP1: Type="TBUS8-25,0-PPPPPPSS-7035 - 2202895"

## Free pads (board coordinates)
  round 1 smd mask+0.5: 4(57.05,122.4) 4(58.625,197.975) 4(150.975,130.6) 4(153.075,198.325)

## Via types
v1: diameter 0.6, hole 0.3, Top to Bottom, tented both sides, 377 vias
v2: diameter 1.27, hole 0.711, Top to Bottom, tented both sides, 18 vias

## Nets (pads, with @x,y where several pads share a name; then routed paths per layer and width w, separated by ;. In a path a pad name is that pad's centre, name@x,y a point inside that pad or via, vN(x,y) a via of type N, cw(c..) or ccw(c..) an arc to the next point about the centre after c; other vN are vias at no path point)
1out1_1: C30.2 DD6.46 R7.1 R11.1 | length 34.9
  Top w0.2: C30.2@82.174,145.154 82.245,145.225 R11.1@82.245,145.948 ; C30.2@82.245,145.152 83.073,145.152 R7.1@83.075,145.15 85.125,145.15 86.4,146.425 86.4,157.014 86.025,157.389 v1(86.025,160.4) ; v1(97.555,163.458) 97.555,163.383 97.675,163.263 97.986,163.263 98.062,163.187 DD6.46@99.326,163.187
  Bottom w0.2: v1(86.025,160.4) 86.05,160.425 95.481,160.425 96.325,161.269 96.325,162.228 v1(97.555,163.458)
1out1_2: C38.2 DD6.43 R27.1 R31.1 | length 53.8
  Top w0.2: R31.1@82.22,131.198 82.22,130.475 C38.2@82.149,130.404 82.151,130.402 83.048,130.402 R27.1@83.05,130.4 83.126,130.475 86.6,130.475 88,131.875 88,142.416 87.65,142.766 87.65,157.461 87.429,157.682 87.429,160.975 87.05,161.355 87.05,165.625 v1(87,165.675) ; v1(94.6,166.125) 95.36,165.365 96.105,165.365 96.612,164.858 98.135,164.858 98.383,164.609 98.516,164.609
  Bottom w0.2: v1(87,165.675) 94.15,165.675 v1(94.6,166.125)
1out1_3: C46.2 DD6.41 R47.1 R51.1 | length 32.9
  Top w0.2: C46.2@81.849,187.029 81.92,187.1 R51.1@81.92,187.824 ; C46.2@81.851,187.027 82.748,187.027 R47.1@82.751,187.025 84.025,187.025 85.2,185.85 85.2,177.28 87.8,174.68 v1(87.8,173.85) ; v1(93.275,168.025) 93.876,168.025 94.469,167.431 95.17,167.431 96.944,165.658 97.881,165.658 97.911,165.687 DD6.41@99.326,165.687
  Bottom w0.2: v1(87.8,173.85) 93.275,168.375 v1(93.275,168.025)